# Altium PCB AATB-V2.PcbDoc (part 2 of 5)
Units mm, origin at the board's own origin, x right, y up, seen from the top; angles counter-clockwise.
Board outline 236 x 177 mm, 2 copper layers (Top Layer, Bottom Layer), stack 1.571 mm thick; 302 components, 313 nets, 1275 pads, 1266 vias.
Unrouted connection lines stored in the file: 1.
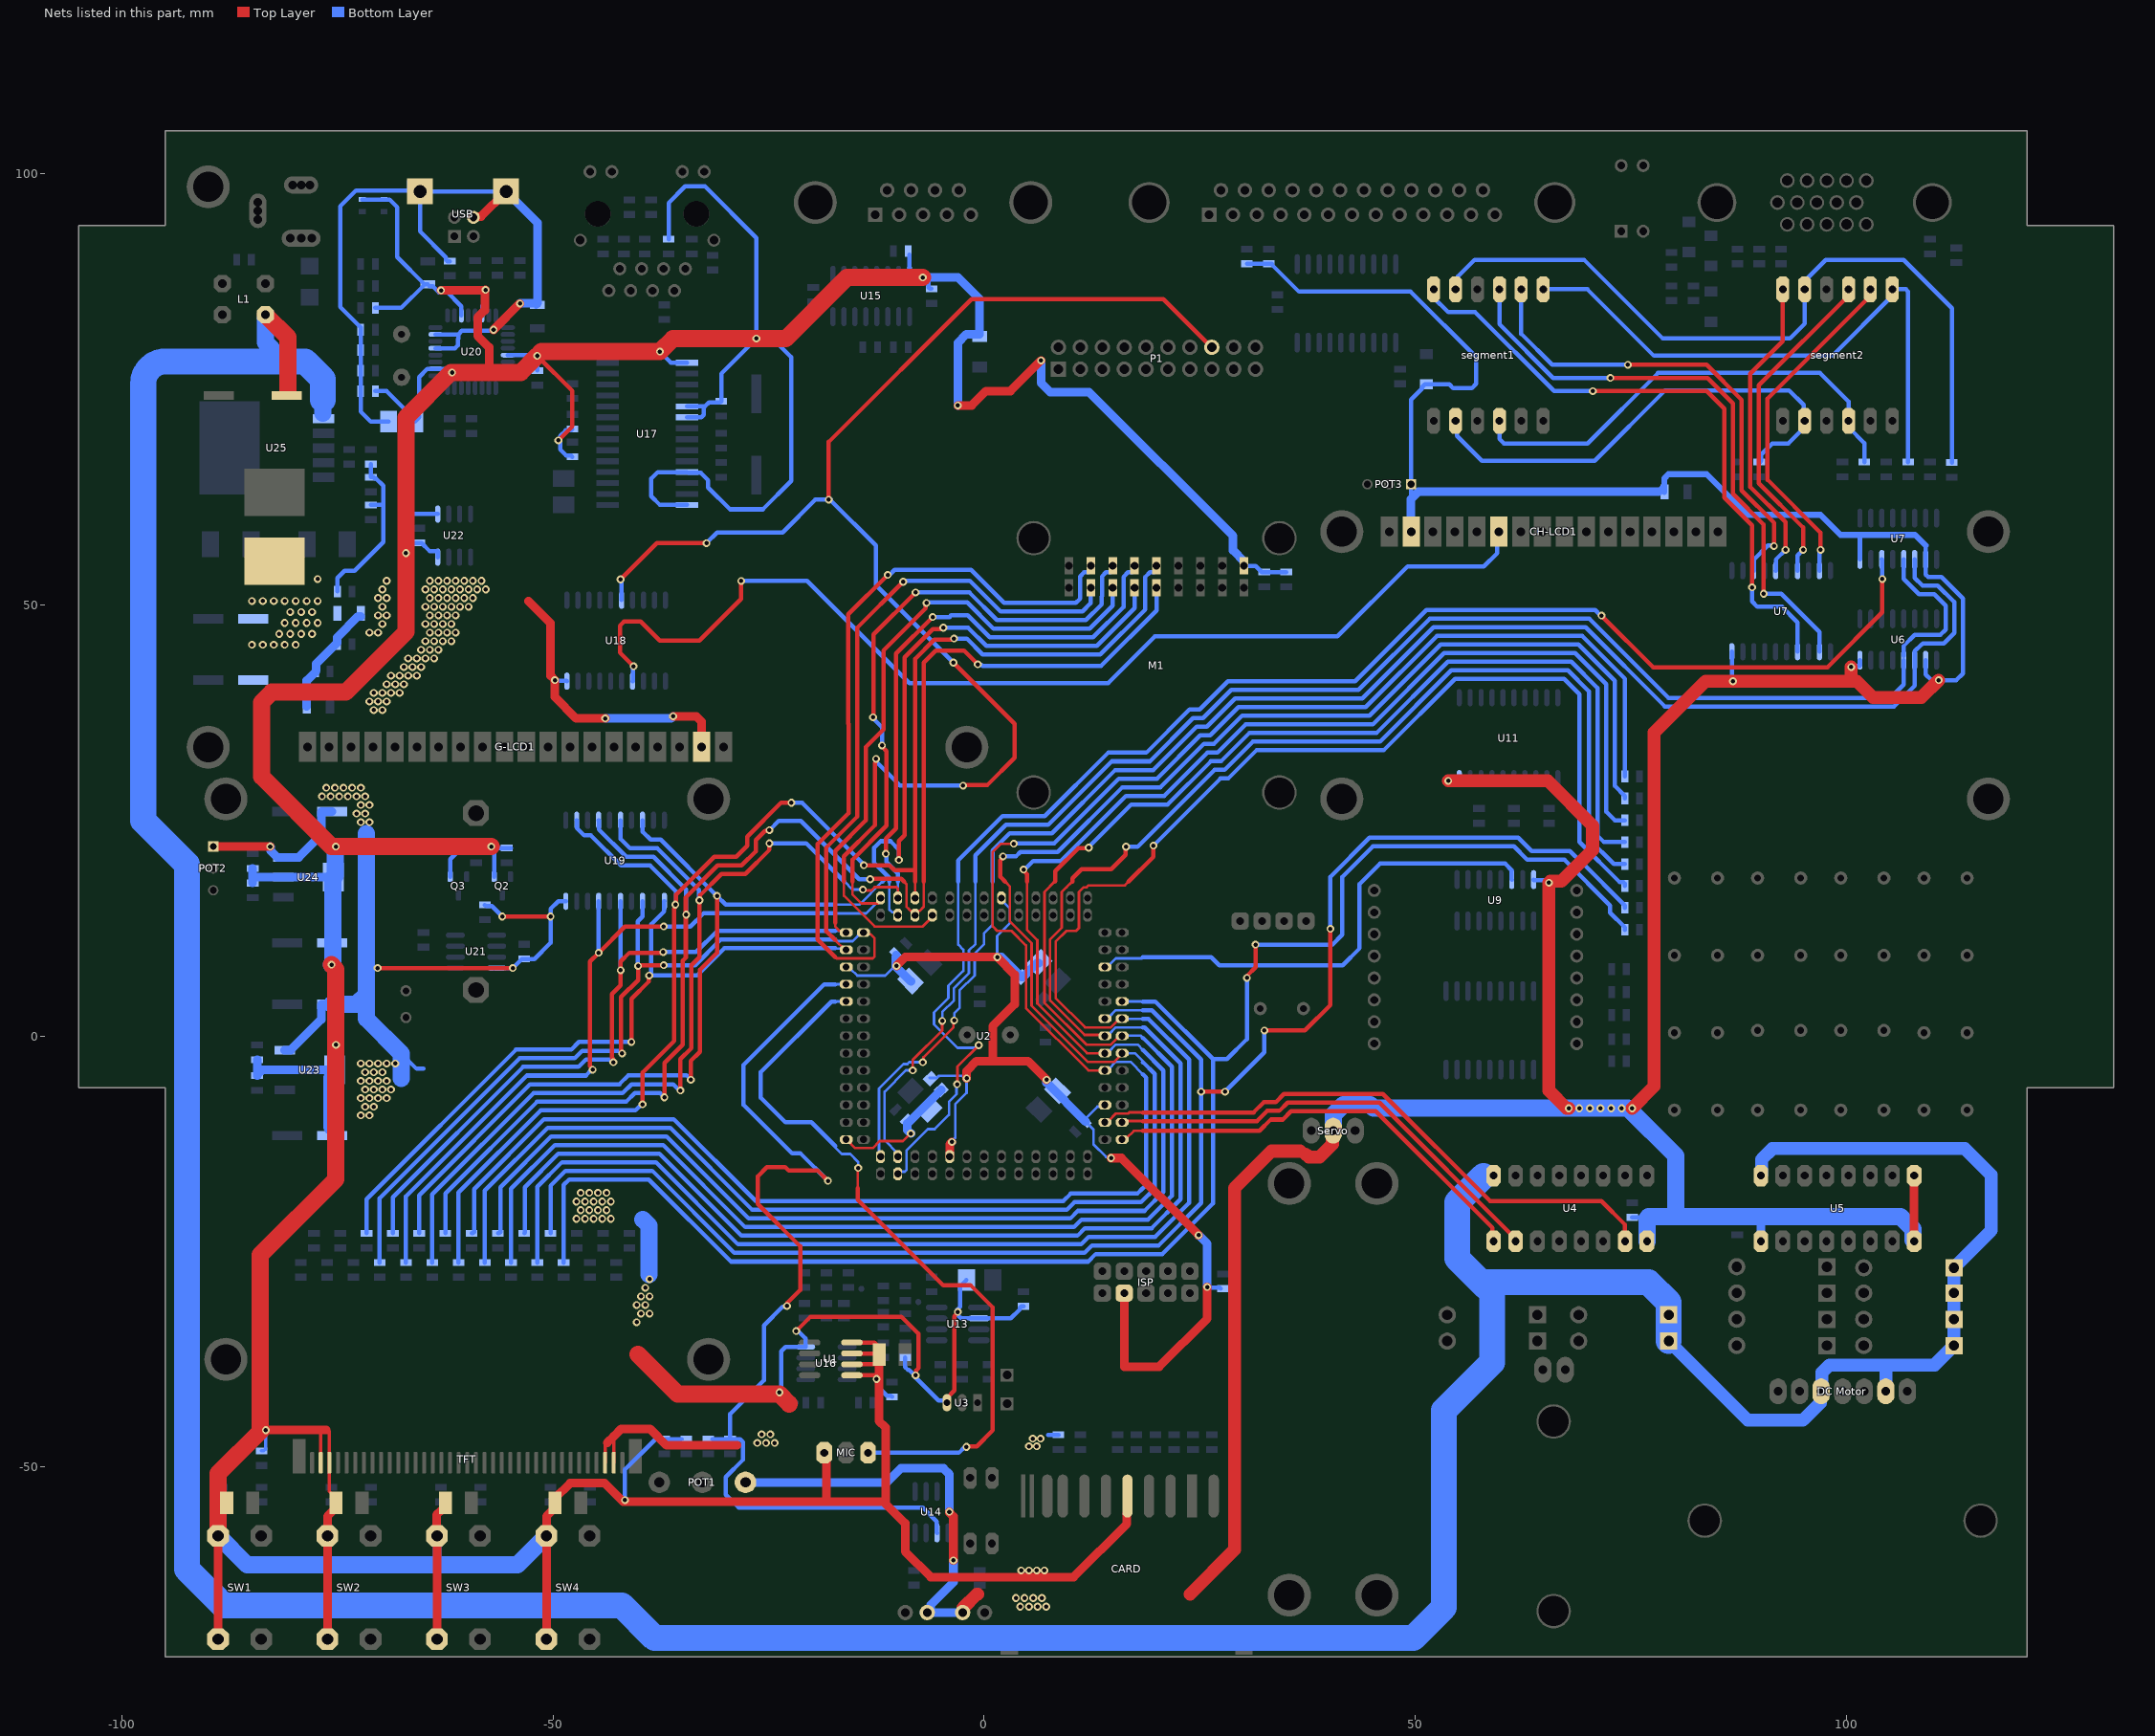
[diagram p2: the nets of this part, all layers, seen from the top]

## Part data
12V: "Low Voltage Power Supply Connector", ComponentLink1Description="Manufacturer Link", ComponentLink1URL=http://domino.kycon.com/internet/Products.html, DatasheetDocument=09-May-2002, Published=17-Dec-2003, Publisher="Altium Limited"
BT1: library part Battery, "Multicell Battery", LatestRevisionDate=17-Jul-2002, LatestRevisionNote="Re-released for DXP Platform.", PackageReference=BAT-2, Published=24-Mar-1999, Publisher="Altium Limited"
C1 C9 C10 C13 C14 C15 C17 C21 C28 C30 C31 C38 C39 C40 C41 C45 C46: library part "Cap Pol1", "Polarized Capacitor (Radial)", LatestRevisionDate=17-Jul-2002, LatestRevisionNote="Re-released for DXP Platform.", PackageReference=RB7.6-15, Published=8-Jun-2000, Publisher="Altium Limited"
  C1 C9 C31 C38 C39 C40 C41 C45 C46: PackageDescription="Polarized Capacitor (Radial); 2 Leads"
C2 C3 C4 C5 C7 C8 C11 C12 C16 C18 C19 C20 C22 C23 C24 C25 C26 C27 C29 C32 C33 C34 C35 C36 C37 C42 C43 C44 C47 C48 C49 C50 C51 CC1 CC4 CC5 CC8 CC9 CC10 CC11 CC12 CC13 CP1 CP2: library part Cap, "Capacitor", LatestRevisionDate=17-Jul-2002, LatestRevisionNote="Re-released for DXP Platform.", PackageReference=RAD-0.3, Published=8-Jun-2000, Publisher="Altium Limited"
  C2 C3 C5 C8 C12 C16 C18 C19 C20 C22 C29 C32 C33 C34 C35 C36 C37 C42 C43 C44 C47 C48 C49 C50 C51 CC1 CC4 CC5 CC8 CC9 CC10 CC11 CC12 CC13 CP1 CP2: PackageDescription="Radial Cap, Thru-Hole; 2 Leads; 0.3 in Pin Spacing"
C6 CC2 CC3 CC6 CC7: library part "Cap Pol2", "Polarized Capacitor (Axial)", LatestRevisionDate=17-Jul-2002, LatestRevisionNote="Re-released for DXP Platform.", PackageDescription="Polarized Capacitor; 2 Leads", PackageReference=POLAR0.8, Published=8-Jun-2000, Publisher="Altium Limited"
CARD: library part MMC
CH-LCD1: "Header, 16-Pin", LatestRevisionDate=17-Jul-2002, LatestRevisionNote="Re-released for DXP Platform.", Publisher="Altium Limited"
D1 D2 D3 D4 D5 D23 D24 IR-T: "Typical INFRARED GaAs LED", LatestRevisionDate=08-Jul-2005, LatestRevisionNote="Mech Layer 1 removed.", PackageReference=LED-0, Published=8-Jun-2000, Publisher="Altium Limited"
  D23 D24: PackageDescription="LED; 2 Leads"
D6 D7 D8 D9 D10 D11 D12 D13 D14 D15 D16 D17: "1 Amp General Purpose Rectifier", PackageDocument=Aug-1999, Code_JEDEC=DO-204-AL, ComponentLink1Description="Manufacturer Link", ComponentLink1URL=http://www.fairchildsemi.com/, ComponentLink2Description=Datasheet, ComponentLink2URL=http://www.fairchildsemi.com/ds/1N%2F1N4001.pdf, DatasheetDocument=1998, LatestRevisionDate=17-Jul-2002, LatestRevisionNote="Re-released for DXP Platform.", PackageReference=DO-41, Published=8-Jun-2000, Publisher="Altium Limited"
D18 D19 D20 D21: "High Conductance Fast Diode", Code_JEDEC=DO-204-AH, ComponentLink1Description="Manufacturer Link", ComponentLink1URL=http://www.fairchildsemi.com/, ComponentLink2Description=Datasheet, ComponentLink2URL=http://www.fairchildsemi.com/ds/1N%2F1N4148.pdf, DatasheetDocument=1997, LatestRevisionDate=17-Jul-2002, LatestRevisionNote="Re-released for DXP Platform.", PackageReference=DO-35, Published=8-Jun-2000, Publisher="Altium Limited"
D22: library part "D Zener", "Zener Diode", LatestRevisionDate=17-Jul-2002, LatestRevisionNote="Re-released for DXP Platform.", PackageDescription="Diode, Thru-Hole; 2 Leads; 0.7 in Pin Spacing", PackageReference=DIODE-0.7, Published=8-Jun-2000, Publisher="Altium Limited"
D25 D27: library part "D Schottky", "Schottky Diode", Code_JEDEC=DO-214-AA, LatestRevisionDate=17-Jul-2002, LatestRevisionNote="Re-released for DXP Platform.", PackageDescription="DO-214-AA/SMB; 2 C-Bend Leads; Body 5.3 x 3.6 mm, inc. leads (LxW)", PackageReference=SMB, Published=8-Jun-2000, Publisher="Altium Limited"
D26: "1 Amp General Purpose Rectifier", Code_JEDEC=DO-204-AL, ComponentLink1Description="Manufacturer Link", ComponentLink1URL=http://www.fairchildsemi.com/, ComponentLink2Description=Datasheet, ComponentLink2URL=http://www.fairchildsemi.com/ds/1N%2F1N4001.pdf, DatasheetVersion=1998, LatestRevisionDate=17-Jul-2002, LatestRevisionNote="Re-released for DXP Platform.", PackageDescription="Diode, Axial; Body 5.2 x 2.7 mm (LxDia. max), Lead Dia. 0.86 mm (max)", PackageReference=DO-41, PackageVersion=Aug-1999, Published=8-Jun-2000, Publisher="Altium Limited"
"DC Motor": "Motor Stepper", Code_JEDEC=MO-001-AM, LatestRevisionDate=17-Jul-2002, LatestRevisionNote="Re-released for DXP Platform.", PackageReference=DIP-6, Published=24-Mar-1999, Publisher="Altium Limited"
DIP1 S1: "DIP Switch, 2 Position, SPST", LatestRevisionDate=17-Jul-2002, LatestRevisionNote="Re-released for DXP Platform.", PackageReference=DIP-4, Published=24-Mar-1999, Publisher="Altium Limited"
"Dot Matrix": library part "8X8-DOT MATRIX LED"
F1: "Fuse", LatestRevisionDate=17-Jul-2002, LatestRevisionNote="Re-released for DXP Platform.", PackageDescription="Thru-Hole; 2 Leads", PackageReference=PIN-W2/E2.8, Published=8-Jun-2000, Publisher="Altium Limited"
G-LCD1: "Header, 20-Pin", LatestRevisionDate=17-Jul-2002, LatestRevisionNote="Re-released for DXP Platform.", Publisher="Altium Limited"
IR-R: library part LED0, "Typical INFRARED GaAs LED", LatestRevisionDate=08-Jul-2005, LatestRevisionNote="Mech Layer 1 removed.", PackageReference=LED-0, Published=8-Jun-2000, Publisher="Altium Limited"
ISP: "Header, 5-Pin, Dual row", LatestRevisionDate=17-Jul-2002, LatestRevisionNote="Re-released for DXP Platform.", Publisher="Altium Limited"
L1: library part "Trans Eq", "Transformer (Equivalent Circuit Model)", LatestRevisionDate=17-Jul-2002, LatestRevisionNote="Re-released for DXP Platform.", PackageDescription="Transformer; 4 Leads", PackageReference=TRF_4, Published=8-Jun-2000, Publisher="Altium Limited"
L2 L6: library part "Inductor Iron", "Magnetic-Core Inductor", LatestRevisionDate=17-Jul-2002, LatestRevisionNote="Re-released for DXP Platform.", PackageDescription="Axial Device, Thru-Hole; 2 Leads; 0.9 in Pin Spacing", PackageReference=AXIAL-0.9, Published=24-Mar-1999, Publisher="Altium Limited"
L3 L4 L5 L7: library part Inductor, "Inductor", Code_IEC=1005, Code_JEITA=0402, PackageReference=0402-A, Published=8-Jun-2000, Publisher="Altium Limited"
  L3 L5 L7: LatestRevisionDate=29-May-2009, LatestRevisionNote="IPC-7351 Footprint Added.", PackageDescription="Chip Inductor"
  L4: LatestRevisionDate=17-Jul-2002, LatestRevisionNote="Re-released for DXP Platform."
M1: library part CAM-OV7670, "OV7670 CAMERA Module"
MIC: library part MIC-MAX4466, "Electret Microphone Amplifier"
NETWORK: library part RJLD043TC1
P1: "Header, 10-Pin, Dual row", LatestRevisionDate=17-Jul-2002, LatestRevisionNote="Re-released for DXP Platform.", Publisher="Altium Limited"
POT1 POT2 POT3: "Potentiometer", LatestRevisionDate=17-Jul-2002, LatestRevisionNote="Re-released for DXP Platform.", PackageReference=VR5, Published=8-Jun-2000, Publisher="Altium Limited", Set Position=0.5, Sim Note="Enter the Resistance value and the set point into parameter fields."
Q2 Q3: "N-Channel MOSFET", LatestRevisionDate=17-Jul-2002, LatestRevisionNote="Re-released for DXP Platform.", PackageDescription="TO, Flat Index; 3 In-Line, Axial Leads; Body Dia. 4.6mm; Lead Dia. 0.5 mm (max)", PackageReference=E3, PackageVersion=1995/1996, Published=8-Jun-2000, Publisher="Altium Limited"
R1 R2 R3 R4 R5 R6 R7 R10 R11 R12 R13 R14 R15 R16 R17 R18 R19 R20 R21 R22 R23 R24 R25 R26 R27 R28 R29 R30 R31 R32 R33 R34 R35 R36 R36 R37 R38 R39 R40 R41 R42 R43 R44 R45 R46 R47 R48 R49 R50 R51 R52 R53 R54 R55 R56 R57 R58 R59 R60 R61 R62 R62 R63 R63 R64 R65 R66 R67 R68 R69 R70 R71 R72 R73 R74 R75 R76 R77 R78 R79 R80 R81 R82 R83 R84 R85 R86 R87 R88 R89 R90 R91 R92 R93 R94 R95 R96 R97 R98 R99 R100 R101 R102 R103 R104 R105 R106 R107 R108 R109 R110 R111 R112 R113 R114 R115: library part Res1, "Resistor", LatestRevisionDate=17-Jul-2002, LatestRevisionNote="Re-released for DXP Platform.", PackageReference=AXIAL-0.3, Published=8-Jun-2000, Publisher="Altium Limited"
  R45 R47 R48 R49 R50 R51 R53 R54 R55 R79 R83 R88 R90 R92 R100 R101 R102 R104 R107: PackageDescription="Axial Device, Thru-Hole; 2 Leads; 0.3 in Pin Spacing"
RESET S2 S3 S4 S5 S6 S7 S8 S9 S10 S11 S12 S13 S14 S15 S16 S17 SW1 SW2 SW3 SW4: "Switch", LatestRevisionDate=17-Jul-2002, LatestRevisionNote="Re-released for DXP Platform.", PackageReference=SPST-2, Published=24-Mar-1999, Publisher="Altium Limited"
RS232: "Receptacle Assembly, 9 Position, Right Angle", PackageDocument=O, DatasheetDocument=1-Sep-1999, Gender=Receptacle, LatestRevisionDate=17-Jul-2002, LatestRevisionNote="Re-released for DXP Platform.", Orientation="Right Angle", PackageReference=788750, Positions=9, Published=15-Jun-2001, Publisher="Altium Limited"
segment1 segment2: "14.2 mm General Purpose Blue 7-Segment Display: CA, RH DP, Gray Surface", Colour=Blue, Package Information="Latest Revision: 24-Sep-2002", Package Reference=H, Datasheet="Latest Revision: 24-Sep-2002", Min. Intensity="2020 ucd", Note="IF = 10 mA", Publisher="Altium Limited"
Servo: library part servo
SPEAKER: "Loudspeaker", LatestRevisionDate=17-Jul-2002, LatestRevisionNote="Re-released for DXP Platform.", PackageReference=PIN2, Published=24-Mar-1999, Publisher="Altium Limited"
Stepper: library part Motor, "Motor, General Kind", LatestRevisionDate=17-Jul-2002, LatestRevisionNote="Re-released for DXP Platform.", PackageReference=RB5-10.5, Published=24-Mar-1999, Publisher="Altium Limited"
STK200/300: "Receptacle Assembly, 25 Position, Right Angle", PackageDocument=U, DatasheetDocument=19-Mar-1999, Gender=Receptacle, LatestRevisionDate=17-Jul-2002, LatestRevisionNote="Re-released for DXP Platform.", Orientation="Right Angle", PackageReference=787202, Positions=25, Published=15-Jun-2001, Publisher="Altium Limited"
SWD: library part SWD-PORT, "SWD debug and programming port"
TFT: library part TFT-Z320IT002, "Size: 3.2 inches / Resolution: 240(H) X 320(V) RGB / Control Chip: ILI9341 / Display Color: Full-Color / Interface Type: 16bits Parallel interface"
TP1 TP2 TP3: library part Socket, LatestRevisionDate=17-Jul-2002, LatestRevisionNote="Re-released for DXP Platform.", Publisher="Altium Limited"
U1: library part CMP-0066-00058-2, "Digital Temperature Sensor and Thermal Watchdog with Two-Wire Interface, 8 pin SOIC NARROW", Manufacturer="National Semiconductor", PackageTopMarking=NSZXTT*LM75*CIM5, PowerWise=N, Code_IPC=SOIC127P600-8, Code_JEDEC=MS-012-AA, ComponentLink1Description="LM75C Datasheet", ComponentLink1URL=http://www.national.com/ds/LM/LM75C.pdf, ComponentLink2Description="LM75C Web Page", ComponentLink2URL=http://www.national.com/pf/LM/LM75C.html, ComponentLink3Description="M08A Package Page", ComponentLink3URL=http://www.national.com/packaging/folders/m08a.html, CompType="Temp Sensor IC", DatasheetVersion=Jul-2009, PackageDescription="SOIC Narrow, 4.9 x 3.9 x 1.45mm, 8 Lead, 1.27mm Pitch", PackageReference=M08A, PackageVersion="revM, May-2009", PinCount=8, RevisionNote="Component URLs added", RoHS=N
U2: library part "ATMEGA 2560"
U3: "Precision CentigradeTemperature Sensor", ComponentLink1Description="Manufacturer Link", ComponentLink1URL=http://www.national.com/, ComponentLink2Description=Datasheet, ComponentLink2URL=http://www.national.com/ds.cgi/LM/LM35.pdf, ComponentLink3Description="URL Link1", ComponentLink3URL=http://www.national.com/pf/LM/LM35.html, DatasheetVersion=Sep-1997, PackageDescription="TO, Flat Index; 3 In-Line, Axial Leads; Body Dia. 4.6mm; Leads 0.53 x 0.39 mm (max)", PackageReference=Z03A, PackageVersion=2000, Published=15-Apr-2002, Publisher="Altium Limited"
U4 U5: "Push-Pull Four Channel Drivers", ComponentLink1Description="Manufacturer Link", ComponentLink1URL=http://www.st.com/, ComponentLink2Description=Datasheet, ComponentLink2URL=http://www.st.com/stonline/products/literature/ds/1328/l293b.pdf, DatasheetVersion=Apr-1993, LatestRevisionDate=06-Jun-2005, LatestRevisionNote="Stylized 3D Model Added.", PackageDescription="DIP; 16 Leads; Row Spacing 7.62 mm; Pitch 2.54 mm", PackageReference=DIP16, PackageVersion=Apr-1996, Published=8-Jun-2000, Publisher="Altium Limited"
U6 U7: "8-Bit 3-State Shift Register with Output Storage Register", Code_IPC=SOIC127P600-16, Code_JEDEC=MS-012-AC, ComponentAvailability="Not for New Design", ComponentLink1Description="Manufacturer Link", ComponentLink1URL=http://www.onsemi.com/, ComponentLink2Description=Datasheet, ComponentLink2URL=http://www.onsemi.com/pub/Collateral/MC74VHC595-D.PDF, DatasheetVersion=1997, LatestRevisionDate=13-Apr-2006, LatestRevisionNote="IPC-7351 Footprint Added.", PackageDescription="16-Pin Small Outline Integrated Circuit 1.27 mm Pitch", PackageReference=751B-05, PackageVersion=Oct-1999, Published=15-Apr-2002, Publisher="Altium Limited"
U7 U11 U12 U18 U19: "Octal Buffer/Line Driver with Tri-State Output", Code_IPC=SOIC127P1030-20, Code_JEDEC=MS-013-AC, ComponentLink1Description="Manufacturer Link", ComponentLink1URL=http://www.national.com/, ComponentLink2Description=Datasheet, ComponentLink2URL=http://www.fairchildsemi.com/ds/74/74F244.pdf, ComponentLink3Description="URL Link1", ComponentLink3URL=http://www.fairchildsemi.com/pf/74/74F244.html, DatasheetVersion=May-1995, LatestRevisionDate=13-Apr-2006, LatestRevisionNote="IPC-7351 Footprint Added.", PackageDescription="20-Pin Small Outline Integrated Circuit 1.27 mm Pitch", PackageReference=M20B, PackageVersion=2000, Published=15-Apr-2002, Publisher="Altium Limited"
U9: "Decade Counter/Divider", Code_IPC=SOIC127P600-16, ComponentLink1Description="Manufacturer Link", ComponentLink1URL=http://www.st.com/, ComponentLink2Description=Datasheet, ComponentLink2URL=http://www.st.com/stonline/products/literature/ds/1960/m74hc4017.pdf, DatasheetVersion=Oct-1992, LatestRevisionDate=13-Apr-2006, LatestRevisionNote="IPC-7351 Footprint Added.", PackageDescription="16-Pin Small Outline Integrated Circuit 1.27 mm Pitch", PackageReference=SO16, PackageVersion=May-1998, Published=8-Jun-2000, Publisher="Altium Limited"
U10: "Eight Darlington Array", ComponentLink1Description="Manufacturer Link", ComponentLink1URL=http://www.st.com/, ComponentLink2Description=Datasheet, ComponentLink2URL=http://www.st.com/stonline/products/literature/ds/1536/uln2801a.pdf, DatasheetVersion=Sep-1997, LatestRevisionDate=06-Jun-2005, LatestRevisionNote="Stylized 3D Model Added.", PackageDescription="DIP; 18 Leads; Row Spacing 7.62 mm; Pitch 2.54 mm", PackageReference=DIP18, Published=8-Jun-2000, Publisher="Altium Limited"
U13: "8002  Class-AB audio power amplifier"
U14: "Low-Power Dual Operational Amplifier", Code_IPC=SOIC127P600-8, Code_JEDEC=MS-012-AA, ComponentLink1Description="Manufacturer Link", ComponentLink1URL=http://www.national.com/, ComponentLink2Description=Datasheet, ComponentLink2URL=http://www.national.com/ds.cgi/LM/LM158.pdf, ComponentLink3Description="URL Link1", ComponentLink3URL=http://www.national.com/pf/LM/LM358.html, DatasheetVersion=Sep-1999, LatestRevisionDate=13-Apr-2006, LatestRevisionNote="IPC-7351 Footprint Added.", PackageDescription="8-Pin Small Outline Integrated Circuit 1.27 mm Pitch", PackageReference=M08A, PackageVersion=Sep-1997, Published=15-Apr-2002, Publisher="Altium Limited"
U15: library part MAX232ACSE, "+5V Powered, Multi-Channel RS-232 Driver/Receiver", Code_IPC=SOIC127P600-16, Code_JEDEC=MS-012-AC, ComponentLink1Description="Manufacturer Link", ComponentLink1URL=http://www.maxim-ic.com/, ComponentLink2Description=Datasheet, ComponentLink2URL=http://pdfserv.maxim-ic.com/en/ds/MAX220-MAX249.pdf, LatestRevisionDate=13-Apr-2006, LatestRevisionNote="IPC-7351 Footprint Added.", PackageDescription="16-Pin Small Outline Integrated Circuit 1.27 mm Pitch", PackageReference=NSO16, Published=16-Jan-2001, Publisher="Altium Limited"
U16: library part LM358D, "Dual Low-Power Operational Amplifier", Code_IPC=SOIC127P600-8, Code_JEDEC=MS-012-AA, ComponentLink1Description="Manufacturer Link", ComponentLink1URL=http://www.st.com/, ComponentLink2Description=Datasheet, ComponentLink2URL=http://www.st.com/stonline/products/literature/ds/2163/lm358.pdf, LatestRevisionDate=13-Apr-2006, LatestRevisionNote="IPC-7351 Footprint Added.", PackageDescription="8-Pin Small Outline Integrated Circuit 1.27 mm Pitch", PackageReference=SO8, PackageVersion=Dec-2002, Published=24-Aug-2001, Publisher="Altium Limited"
U17: library part ENC29J60
U20: "USB UART Asynchronous Serial Data Transfer Chip, LQFP-32, Pb-Free", ComponentLink1Description="Manufacturer Link", ComponentLink1URL=http://www.ftdichip.com/Products/ICs/FT232B.htm, ComponentLink2Description=Datasheet, ComponentLink2URL=http://www.ftdichip.com/Support/Documents/DataSheets/ICs/DS_FT232BL.pdf, DatasheetVersion="ver 1.8, Dec-2005", LatestRevisionDate=13-Apr-2006, LatestRevisionNote="IPC-7351 Footprint Added.", PackageDescription="32-Pin Thin Quad Flat Pack 0.8 mm Pitch", PackageReference=LQFP-32, PackageVersion=2004, Published=6-Oct-2005, Publisher="Altium Limited"
U21: "64 X 8 Serial Real-Time Clock", Code_IPC=SOIC127P600-8, ComponentLink1Description="Manufacturer Link", ComponentLink1URL=http://www.maxim-ic.com/, ComponentLink2Description=Datasheet, ComponentLink2URL=http://pdfserv.maxim-ic.com/en/ds/DS1307.pdf, ComponentLink3Description="Discontinuation Notice", ComponentLink3URL=http://www.maxim-ic.com/qa/pdfs/non-obsolescence-letter.pdf, DatasheetVersion=10-Aug-1999, LatestRevisionDate=13-Apr-2006, LatestRevisionNote="IPC-7351 Footprint Added.", PackageDescription="8-Pin Small Outline Integrated Circuit 1.27 mm Pitch", PackageReference=SOIC8N, PackageVersion=1999, Published=13-Oct-2000, Publisher="Altium Limited"
U22: "2Kbit Serial I²C Bus EEPROM", ComponentLink1Description="Manufacturer Link", ComponentLink1URL=http://www.st.com/, ComponentLink2Description=Datasheet, ComponentLink2URL=http://www.st.com/stonline/products/literature/ds/5067/m24c01-r.pdf, DatasheetVersion=Sep-1999, LatestRevisionDate=13-Apr-2006, LatestRevisionNote="IPC-7351 Footprint Added.", PackageDescription="8-Pin Small Outline Integrated Circuit 1.27 mm Pitch", PackageReference=SOP8, PackageVersion=Jul-1999, Published=24-Aug-2001, Publisher="Altium Limited"
U23 U24: "800mA Low-Dropout Linear Regulator, 4-pin SOT-223", Manufacturer="National Semiconductor", PackageTopMarking=XYTT*N05A, PowerWise=N, Supplier Part Number 1=9778195, Code_IPC=SOT223-4, Code_JEDEC=TO-261-AA, ComponentLink1Description="LM1117 Datasheet", ComponentLink1URL=http://www.national.com/ds/LM/LM1117.pdf, ComponentLink2Description="LM1117 Web Page", ComponentLink2URL=http://www.national.com/pf/LM/LM1117.html, ComponentLink3Description="MP04A Package Page", ComponentLink3URL=http://www.national.com/packaging/folders/mp04a.html, CompType="LDO IC", DatasheetVersion=Apr-2006, PackageDescription="Molded SOT-223, 6.50 x 3.56 x 1.6mm Body, 4 Lead, 2.3mm Pitch", PackageReference=MP04A, PackageVersion="revB, Apr-2003", PartNumber=LM1117MP-3.3, PinCount=4, Published=4-Dec-2008, Publisher="Altium Limited", RoHS=N, Supplier 1=Farnell, Supplier 2=Farnell, Supplier Part Number 2=9778195RL
U25: library part LM2596-5v
VGA: "Receptacle Assembly, 15 Position, Right Angle", PackageDocument=O, DatasheetDocument=1-Sep-99, Gender=Receptacle, LatestRevisionDate=17-Jul-2002, LatestRevisionNote="Re-released for DXP Platform.", Orientation="Right Angle", PackageReference=788757, Positions=15, Published=15-Jun-2001, Publisher="Altium Limited"
X1 X2 X3: library part XTAL, "Crystal Oscillator", LatestRevisionDate=17-Jul-2002, LatestRevisionNote="Re-released for DXP Platform.", PackageReference=R38, Published=8-Jun-2000, Publisher="Altium Limited"
  X2: PackageDescription="Crystal, Thru-Hole; 2 Leads; Body 3.1 x 8.2 mm (Dia.xH)"
X4: "Crystal Oscillator", LatestRevisionDate=17-Jul-2002, LatestRevisionNote="Re-released for DXP Platform.", PackageReference=R38, Published=8-Jun-2000, Publisher="Altium Limited"
USB: Bottom=60, Right=60

## Free pads (board coordinates)
  round 5 hole 3.5 unplated: C(-87.952,-37.5) ""(-90,33.5) ""(-90,98.5) ""(-87.952,27.503) ""(-31.952,-37.503) ""(-31.952,27.5) ""(-2,33.5) ""(35.403,-64.856) ""(35.403,-17.104) ""(41.5,27.5) ""(41.5,58.5) ""(45.563,-64.856) ""(45.563,-17.104) ""(116.5,27.5) ""(116.5,58.5)
  round 4 hole 3.5 unplated: ""(66.068,-66.712) ""(66.068,-44.712) ""(83.596,-56.22) ""(115.596,-56.22)

## Via types
v1: diameter 0.9, hole 0.5, Top Layer to Bottom Layer, tented both sides, 1265 vias
v2: diameter 0.9, hole 0.5, Top Layer to Bottom Layer, 1 vias

## Nets (pads, with @x,y where several pads share a name; then routed paths per layer and width w, separated by ;. In a path a pad name is that pad's centre, name@x,y a point inside that pad or via, vN(x,y) a via of type N, cw(c..) or ccw(c..) an arc to the next point about the centre after c; other vN are vias at no path point)
7SEG-LCH: U2.4 U6.12 U7.12@106.676,55.28 | length 184.7
  Top Layer w0.3: v1(-8.277,-3.982) -8.277,-2.768 -4.87,0.639 -4.87,1.721 v1(-4.849,1.742)
  Bottom Layer w0.3: U2.4@-10,-14 -10,-13.622 -11.542,-12.08 -11.542,-6.462 -9.062,-3.982 v1(-8.277,-3.982) ; v1(-4.849,1.742) -4.849,2.771 -3.496,4.124 -3.496,5.551 -1.752,7.295 -1.752,9.932 -1,10.684 -1,17.916
  Bottom Layer w0.5: -1,17.916 -1,20.954 2.546,24.5 7.444,24.5 14.804,31.86 19.234,31.86 24.241,36.867 25.413,36.867 28.686,40.14 43.446,40.14 51.718,48.412 70.199,48.412 79.375,39.236 105.136,39.236 106.676,40.776 U6.12@106.676,43.596 ; U6.12@106.676,44.104 106.695,44.123 106.695,45.282 107.959,46.546 110.921,46.546 111.536,47.161 111.536,49.925 110.215,51.246 110.112,51.246 108.449,51.246 106.676,53.019 U7.12@106.676,55.28
7SEG-SDI: U2.3 U7.14@104.136,55.28 | length 177.5
  Top Layer w0.3: v1(-3.137,-5.6) -3.085,-5.548 -3.085,-3.534 v1(-0.614,-1.064)
  Top Layer w0.5: v1(71.628,48.768) 77.612,42.784 97.833,42.784 104.187,49.138 v1(104.187,53.016)
  Bottom Layer w0.3: U2.3@-10,-16 -9.748,-15.748 -9.197,-15.748 -9,-15.551 -9,-13.293 -6.518,-10.81 -5.73,-10.81 -4.064,-9.144 -4.064,-7.62 -3.2,-6.756 -3.2,-5.662 v1(-3.137,-5.6) ; -3,17.916 -3,10.62 -2.402,10.022 -2.402,7.564 -4.146,5.82 -4.146,4.393 -5.799,2.74 -5.799,1.348 -4.952,0.502 -3.086,-1.364 -1.077,-1.364 -0.777,-1.064 v1(-0.614,-1.064)
  Bottom Layer w0.5: -3,17.916 -3,20.368 2.132,25.5 7.03,25.5 14.39,32.86 18.819,32.86 23.826,37.867 24.999,37.867 28.272,41.14 43.032,41.14 51.304,49.412 70.876,49.412 71.52,48.768 v1(71.628,48.768) ; U7.14@104.136,55.28 104.155,55.261 104.155,53.048 v1(104.187,53.016)
7SEG-SHF: U2.2 U6.11 U7.11@107.946,55.28 | length 185.7
  Top Layer w0.3: v1(-7.112,-3.048) -7.03,-2.966 -7.03,-2.458 -3.551,1.021 -3.551,1.706 v1(-3.464,1.793)
  Bottom Layer w0.3: U2.2@-12,-14 -12.188,-13.812 -12.188,-13.228 -12.192,-13.224 -12.192,-6.088 -9.358,-3.254 -8.892,-3.254 -8.671,-3.032 -7.128,-3.032 v1(-7.112,-3.048) ; v1(-3.464,1.793) -3.464,2.632 -2.846,3.25 -2.846,5.282 -1.102,7.026 -1.102,9.566 -0.003,10.665 -0.003,11.922 1,12.925 1,17.916
  Bottom Layer w0.5: 1,17.916 1,21.54 2.96,23.5 7.858,23.5 15.218,30.86 19.648,30.86 24.655,35.867 25.828,35.867 29.101,39.14 43.86,39.14 52.132,47.412 69.785,47.412 78.961,38.236 105.55,38.236 107.946,40.632 U6.11@107.946,43.596 107.965,43.615 107.965,44.63 108.781,45.446 108.806,45.446 108.906,45.546 111.335,45.546 112.536,46.747 112.536,50.339 110.629,52.246 110.526,52.246 108.863,52.246 107.965,53.144 107.965,55.261 U7.11@107.946,55.28
+3V3: C13.2 C15.1 C31.1 C32.1 C38.1 C40.1 C47.2 C48.2 C49.2 C50.2 CARD.4 CC1.1 CC2.1 CC3.1 CC4.1 CC5.1 CC6.1 CC7.1 CC8.1 CC9.1 CC10.1 CC11.1 CC12.1 CC13.1 CP1.1 CP2.1 D1.1 D2.1 D3.1 D4.1 D5.1 D22.2 D23.1 D24.1 F1.1 ISP.3 L3.2 L4.2 L6.2 M1.18 MIC.1 Q2.2 Q3.2 R56.2 R70.2 R71.2 R81.2 R87.2 R100.1 SW1.2 SW2.2 SW3.2 SW4.2 TFT.2 TFT.3 U1.5 U1.6 U1.7 U1.8 U2.10 U2.31 U2.61 U2.80 U15.16 U17.15 U17.19 U17.20 U17.25 U17.28 U20.3 U20.6 U20.13 U20.26 U22.1 U22.8 U23.2 U23.4 U24.2 U24.4 | length 959.2
  Top Layer w0.4: -77.084,-45.72 -76.952,-45.852 TFT.2@-76.952,-49.5 ; -76.204,-45.584 -75.952,-45.836 TFT.3@-75.952,-49.5 -75.952,-52.829 -75.156,-53.625 D2.1@-75.156,-54.175
  Top Layer w0.5: v1@-51.834,78.89 -47.752,74.808 -47.752,70.717 v1(-49.381,69.088) ; v1@-41.855,-54.025 -41.663,-53.833 v1(-41.657,-53.833) ; U1.5@-15.334,-39.361 -12.192,-39.361 ; U1.6@-15.334,-38.091 -12.192,-38.091 D5.1@-11.898,-38.091 ; U1.7@-15.334,-36.821 D5.1@-12.148,-36.821 ; U1.8@-15.334,-35.551 -12.709,-35.551 D5.1@-12.192,-36.068
  Top Layer w1: SW1.2@-88.856,-69.97 SW1.2@-88.856,-57.97 ; -83.952,-45.72 -83.82,-45.72 v1(-83.312,-45.72) -77.084,-45.72 -76.34,-45.72 ; SW2.2@-76.156,-69.97 SW2.2@-76.156,-57.97 -76.156,-55.725 -75.156,-54.725 D2.1@-75.156,-54.175 ; SW3.2@-63.456,-69.97 SW3.2@-63.456,-57.97 -63.504,-57.922 -63.504,-55.561 -62.918,-54.975 -62.706,-54.975 -62.456,-54.725 D3.1@-62.456,-54.175 ; v1(-62.996,86.496) -62.983,86.509 v1@-57.916,86.509 ; v1(-57.838,86.55) -57.88,86.509 v1@-57.916,86.509 ; -57.798,76.962 -57.408,77.352 -57.408,79.892 -58.743,81.227 -58.743,83.362 -57.916,84.189 v1@-57.916,86.509 ; v1(-51.848,78.904) v1@-51.82,78.904 ; SW4.2@-50.756,-69.97 SW4.2@-50.756,-57.97 -50.756,-55.725 -49.756,-54.725 D4.1@-49.756,-54.175 -49.756,-53.625 -48.006,-51.875 -44.005,-51.875 -41.855,-54.025 -18.297,-54.025 ; MIC.1@-18.54,-48.352 -18.297,-48.595 -18.297,-54.025 ; D5.1@-12.148,-36.948 -12.192,-36.992 -12.192,-38.091 -12.192,-39.361 -12.192,-44.652 -11.43,-45.414 -11.43,-54.248 ; v1(-10.16,8.128) -9.144,9.144 v1(1.524,9.144) 3.556,7.112 3.556,3.696 1.012,1.152 1.012,-2.912 ; U2.10@-4,-14 -4,-12.556 v1(-3.73,-12.286) ; v1(-3.048,73.152) -1.428,73.152 0.232,74.812 3.044,74.812 v1(6.6,78.368) ; v1(-2.032,-4.914) -2.032,-4.064 -0.88,-2.912 1.012,-2.912 ; v1(7.255,-5.077) 5.09,-2.912 1.012,-2.912 ; v1(14.728,-14.158) 15.936,-14.158 v1(24.892,-23.114) ; ISP.3@16.252,-29.836 16.252,-38.358 20.316,-38.358 25.887,-32.787 v1@25.887,-29.113 ; CARD.4@16.632,-53.364 16.594,-53.402 16.594,-55.444 16.567,-55.471 16.567,-56.585 10.386,-62.766 -6.19,-62.766 -9.144,-59.812 -9.144,-56.534 -11.653,-54.025 -18.297,-54.025
  Top Layer w2: SW1.2@-88.856,-57.97 -88.856,-50.756 -83.82,-45.72 ; -83.952,-45.72 -83.952,-25.392 -75.184,-16.624 -75.184,7.752 v1(-75.696,8.264) ; v1(-57.173,21.98) v1(-75.188,21.98) -75.696,21.98 -83.824,30.108 -83.824,38.706 -82.652,39.878 -74.054,39.878 -67.06,46.872 v1(-67.06,56.016) -67.06,71.764 -61.862,76.962 v1(-61.722,76.962) -57.798,76.962 -53.762,76.962 -51.834,78.89 -51.82,78.904 -51.34,79.384 v1(-37.596,79.384) -36.072,80.908 v1(-26.42,80.908) -22.978,80.908 -15.903,87.983 v1(-7.116,87.983)
  Bottom Layer w0.3: U2.80@-15.496,8.136 -15.496,7.789 -14.707,7 -11.46,7 -10.572,7.888 ; v1(-10.16,8.128) -8.49,6.458 CC6.1@-8.49,6.335 ; L3.2@-6.309,-4.824 -6.268,-4.865 -5.472,-4.865 -5.221,-4.614 -2.538,-4.614 -2.471,-4.681 ; v1(-3.73,-12.286) -3.73,-12.19 -3.35,-11.81 -3.35,-7.922 -2.032,-6.604 v1(-2.032,-4.914) ; v1(1.524,9.144) 1.52,9.148 1.52,11.606 2.449,12.535 3,13.086 3,14.78 2,15.78 U2.61@2,16 ; U2.31@14,-8 13.814,-8.186 13.15,-8.186 11.766,-9.57 11.766,-9.924 CC4.1@11.773,-9.931 12.696,-10.854 12.696,-12.564 14.175,-14.043 14.613,-14.043 v1(14.728,-14.158)
  Bottom Layer w0.4: CC13.1@-83.824,-48.124 -83.549,-48.124 -83.349,-47.924 -83.349,-45.757 v1(-83.312,-45.72)
  Bottom Layer w0.5: D24.1@-72.14,97.04 D23.1@-69.6,97.04 -68.968,97.04 -68.076,96.148 -68.076,90.359 L6.2@-64.895,87.178 ; C32.1@-70.616,74.812 -69.324,74.812 -66.043,71.531 C31.1@-66.043,71.256 -65.536,71.763 -65.536,76.442 -64.604,77.374 -62.243,77.374 -61.83,76.962 v1(-61.722,76.962) ; R100.1@-70.616,84.464 -67.609,84.464 L6.2@-64.895,87.178 ; v1(-67.06,56.016) -67.06,57.54 ; L6.2@-64.52,87.178 L6.2@-64.895,87.178 ; L6.2@-64.346,87.004 -64.295,86.953 -63.92,86.953 -63.23,86.262 v1@-62.92,86.262 ; U22.8@-63.377,55.548 -63.377,56.221 -63.423,56.267 -64.33,56.267 -65.261,57.198 CC12.1@-65.536,57.198 -66.718,57.198 -67.06,57.54 ; U22.1@-63.377,60.548 -66.767,60.548 -67.06,60.255 -67.06,57.54 ; v1@-62.849,86.349 -62.341,86.349 -60.64,84.648 U20.3@-60.64,83.584 ; Q3.2@-61.914,18.483 -61.914,20.522 -60.622,21.814 R87.2@-58.932,21.814 -58.849,21.897 -57.256,21.897 v1(-57.173,21.98) ; U20.6@-58.24,83.584 -58.23,83.594 -58.23,84.707 -57.838,85.099 v1(-57.838,86.55) ; v1@-57.173,21.814 v1@-56.9,21.814 ; Q2.2@-56.834,18.483 -56.834,21.748 v1@-56.9,21.814 ; U20.13@-55.24,78.984 -52.436,78.984 -52.356,78.904 ; R81.2@-54.868,21.814 R81.2@-55.376,21.814 v1@-56.9,21.814 ; CC11.1@-51.834,77.2 v1@-51.834,78.89 ; R70.2@-47.756,67.192 -47.906,67.342 -48.475,67.342 -49.181,68.048 -49.181,69.603 -48.528,70.256 -47.906,70.256 R71.2@-47.756,70.406 ; v1(-41.657,-53.833) v1(-41.657,-53.833) -41.656,-50.292 -38.13,-46.766 CC5.1@-37.084,-46.766 CC10.1@-35.052,-46.766 ; v1(-37.596,79.384) -36.326,78.114 U17.15@-34.442,78.114 ; L4.2@-36.58,92.426 -36.58,96.656 -34.684,98.552 -32.38,98.552 -26.404,92.576 v1@-26.404,80.924 ; U17.28@-34.442,61.604 -37.596,61.604 -38.612,62.62 -38.612,64.652 -37.85,65.414 U17.25@-34.442,65.414 -34.342,65.314 -32.843,65.314 -32.008,64.479 -32.008,63.636 -29.468,61.096 -25.662,61.096 -22.356,64.402 -22.356,78.744 -24.52,80.908 v1(-26.42,80.908) -30.484,76.844 CC9.1@-30.484,73.63 -30.616,73.498 -31.909,73.498 -32.373,73.034 ; U17.20@-34.442,71.764 -32.809,71.764 -32.516,72.057 -32.516,72.891 -32.373,73.034 ; U17.19@-34.442,73.034 -32.373,73.034 ; v1(-12.482,-39.783) -12.482,-39.892 -12.335,-40.039 -12.335,-40.658 -11.281,-41.712 -10.822,-41.712 CC8.1@-10.672,-41.862 ; C15.1@-8.64,90.617 U15.16@-8.64,88.248 -8.64,88.029 -8.594,87.983 v1(-7.116,87.983) -7.039,87.906 -6.834,87.906 -6.418,87.49 -6.418,86.822 -6.268,86.672 C13.2@-6.1,86.672 ; 7.45,-46.258 CP1.1@8.632,-46.258 ; v1@25.912,-29.092 26.009,-29.189 27.323,-29.189 R56.2@27.432,-29.298 ; M1.18@30.16,54.54 31.511,54.54 32.233,53.818 CC1.1@32.508,53.818 CC3.1@35.048,53.818
  Bottom Layer w1: C49.2@-84.84,17.75 -84.84,18.424 ; C50.2@-84.84,19.44 -84.84,18.424 ; C47.2@-84.332,-4.602 C47.2@-84.332,-4.514 ; C48.2@-84.332,-2.746 C47.2@-84.332,-4.514 ; SW2.2@-76.156,-57.97 -76.156,-60.872 -75.696,-61.332 ; U24.4@-75.484,18.424 U24.2@-81.284,18.424 -84.84,18.424 ; U23.4@-75.336,-3.928 U23.2@-81.136,-3.928 -83.746,-3.928 C47.2@-84.332,-4.514 ; -63.504,-61.332 -63.456,-61.284 SW3.2@-63.456,-57.97 ; v1(-51.848,78.904) v1@-51.834,78.89 ; CP2.1@-10.2,9.365 -10.2,9.223 -10.253,9.17 -10.253,8.098 CC6.1@-8.49,6.335 ; v1(-7.116,87.983) -3.015,87.983 -0.512,85.48 -0.512,81.416 -2.036,81.416 -3.052,80.4 -3.052,73.156 v1(-3.048,73.152) ; v1(1.524,9.144) 2.032,9.144 D22.2@4.351,6.825 4.492,6.825 6.139,8.472 CC2.1@6.319,8.472 ; v1@6.6,78.295 6.6,75.77 7.694,74.676 12.192,74.676 28.87,57.998 28.87,56.33 30.16,55.04 M1.18@30.16,54.54 ; v1(7.255,-5.077) 7.255,-5.413 CC4.1@11.773,-9.931 ; v1(24.892,-23.114) 25.887,-24.109 v1@25.887,-28.977
  Bottom Layer w2: SW1.2@-88.856,-57.97 -85.494,-61.332 -75.696,-61.332 -63.504,-61.332 -54.118,-61.332 SW4.2@-50.756,-57.97 ; v1(-75.696,8.264) -75.56,8.4 -75.56,18.348 U24.4@-75.484,18.424 -75.284,18.624 -75.284,21.884 v1(-75.188,21.98) ; -75.636,-10.532 -75.636,-4.884 -75.536,-4.784 -75.536,-4.432 -75.184,-4.08 v1(-75.184,-1.016)
  other v1: 4.3,-62 5.2,-62 6.1,-62 7,-62 5.2,-47.6 6.1,-47.6 5.65,-46.7 6.55,-46.7 25.891,-29.113
+5AV: C36.2 C37.2 C44.2 C45.1 C46.1 L2.2 L7.1 R104.2 | length 21.5
  Top Layer w0.5: L2.2@-82.3,55.064 L2.2@-81.22,53.984
  Bottom Layer w0.5: C44.2@-75.018,51.562 -75.018,53.134 -74.168,53.984 -73.016,53.984 -69.699,57.301 -69.699,61.604 ; C36.2@-71.124,61.604 -69.699,61.604 ; C37.2@-71.124,66.342 R104.2@-71.124,64.828 -70.849,64.828 -70.699,64.678 -70.538,64.678 -69.699,63.839 -69.699,61.604
  other v1: -84.935,45.38 -83.665,45.38 -82.395,45.38 -81.125,45.38 -79.855,45.38 -81.76,46.65 -80.49,46.65 -79.22,46.65 -77.95,46.65 -81.125,47.92 -79.855,47.92 -78.585,47.92 -77.315,47.92 -80.49,49.19 -79.22,49.19 -77.95,49.19 -84.935,50.46 -83.665,50.46 -82.395,50.46 -81.125,50.46 -79.855,50.46 -78.585,50.46 -77.315,50.46 -77.315,53
+5V: C2.2 C3.2 C8.1 C9.1 C39.1 C41.1 C42.2 C43.2 CH-LCD1.2 D21.1 G-LCD1.2 IR-R.1 IR-T.2 L7.2 POT1.2 POT2.1 POT3.1 R16.2 R47.2 R62.1@30.48,89.574 R63.1@33.02,89.574 R78.2 R85.2 R110.2 Servo.2 TFT.35 TFT.36 U3.3 U4.16 U5.1 U5.9 U5.16 U6.10 U6.16 U7.10@109.216,55.28 U7.16@101.596,55.28 U7.20 U9.16 U11.20 U13.6 U14.8 U16.8 U18.20 U19.20 U21.8 U23.3 U24.3 | length 792
  Top Layer w0.4: TFT.35@-43.952,-49.5 -43.952,-47.368 -43.73,-47.146 ; TFT.36@-42.952,-49.5 -42.952,-46.424
  Top Layer w0.5: v1(-70.349,7.883) v2(-54.674,7.883) ; v1(-55.884,13.852) v1(-50.296,13.852) ; v1(-21.788,-34.218) -20.121,-32.551 -9.613,-32.551 -7.624,-34.54 -7.624,-38.535 -7.867,-38.778 -7.867,-39.289 v1(-7.944,-39.365) ; U3.3@-4.314,-42.536 -4.314,-42 -3.448,-41.134 -3.448,-32.497 -3.048,-32.097 v1(-3.048,-32.004)
  Top Layer w1: POT2.1@-89.412,21.98 v1(-82.808,21.98) ; -52.836,50.428 -50.296,47.888 -50.296,41.792 v1(-49.788,41.284) -49.788,39.33 -47.308,36.85 v1(-43.944,36.85) ; -43.702,-47.174 -42.952,-46.424 -42.112,-45.584 -38.744,-45.584 -36.83,-47.498 -28.64,-47.498 ; v1(-36.068,37.084) -33.396,37.084 -32.78,36.468 G-LCD1.2@-32.78,33.54 ; v1(-4.031,-55.199) -4.031,-55.272 -3.56,-55.744 v1(-3.56,-60.824) ; U5.16@107.89,-23.81 U5.1@107.89,-16.19
  Top Layer w1.5: IR-T.2@-2.486,-66.8 -2.433,-66.747 -2.433,-66.337 -0.832,-64.736 -0.728,-64.736 ; 23.91,-64.736 29.044,-59.602 29.044,-17.652 33.342,-13.354 36.652,-13.354 ; 37.296,-13.694 37.664,-14.062 38.907,-14.062 40.404,-12.565 40.404,-11.076 Servo.2@40.5,-10.98 ; v1(53.844,29.6) 65.396,29.6 70.584,24.412 70.584,21.574 66.95,17.94 65.692,17.94 v1(65.532,17.78) 65.532,-6.35 67.564,-8.382 v1(67.818,-8.382) ; v1(75.184,-8.382) 77.724,-5.842 77.724,35.192 83.68,41.148 v1(86.868,41.148) 101.224,41.148 ; 100.58,41.298 v1(100.58,42.808) ; 101.33,41.042 103.12,39.252 108.708,39.252 v1(110.74,41.284)
  Top Layer w2: -40.136,-36.948 -35.528,-41.556 -23.722,-41.556 -22.606,-42.672
  Bottom Layer w0.5: -67.587,-2.054 -65.83,-3.81 -65.024,-3.81 ; R85.2@-57.916,15.21 -57.766,15.06 -57.092,15.06 v1(-55.884,13.852) ; U21.8@-56.896,7.837 -56.85,7.883 U21.8@-56.532,7.883 v2(-54.674,7.883) -53.619,8.938 R78.2@-53.344,8.938 -52.162,8.938 -50.296,10.804 v1(-50.296,13.852) -50.296,14.728 -49.395,15.629 U19.20@-48.519,15.629 ; v1(-49.788,41.284) -49.724,41.22 -48.437,41.22 -48.391,41.174 U18.20@-48.391,41.156 ; v1(-23.742,-41.346) -23.665,-41.269 -23.665,-40.884 -23.542,-40.76 -23.542,-36.576 -23.025,-36.059 U16.8@-20.692,-36.059 -20.692,-35.069 -20.728,-35.069 -21.58,-34.218 v1(-21.788,-34.218) ; R47.2@-9.148,-37.29 -9.148,-38.415 -8.855,-38.708 -8.709,-38.708 -8.052,-39.365 v1(-7.944,-39.365) ; v1@-8.071,-39.492 -5.271,-42.292 -4.545,-42.292 -4.314,-42.523 U3.3@-4.314,-42.536 ; v1@-3.052,-32.376 -2.671,-32.757 U13.6@-0.602,-32.757 3.098,-32.757 4.143,-31.712 4.143,-31.51 4.293,-31.36 C8.1@4.568,-31.36 ; v1@-3.052,-31.868 -3.112,-31.808 -3.112,-31.766 -2.762,-31.416 -2.762,-29.037 C9.1@-2.037,-28.312 ; R62.1@30.48,89.574 R63.1@33.02,89.574 33.362,89.574 33.362,89.507 36.525,86.344 49.49,86.344 57.076,78.758 57.076,75.64 56.572,75.136 54.421,75.136 53.955,75.602 D21.1@51.304,75.602 51.154,75.602 50.804,75.252 50.804,75.102 49.52,73.818 49.52,62.282 ; v1(53.844,29.6) 53.97,29.726 55.068,29.726 55.114,29.772 U11.20@55.114,29.852 ; U9.16@63.75,18.144 63.796,18.098 63.796,18.055 65.149,18.055 ; C3.2@75.18,-21.034 76.03,-21.034 76.672,-21.676 ; U7.20@86.741,44.576 86.741,41.383 86.868,41.256 v1(86.868,41.148) ; v1(100.58,42.808) 100.699,42.927 101.55,42.927 101.596,42.973 U6.16@101.596,43.596 ; 101.374,58.13 101.596,57.908 U7.16@101.596,55.28 ; U6.10@109.216,43.596 109.216,41.944 109.876,41.284 v1(110.74,41.284) 112.772,41.284 113.536,42.048 113.536,50.753 111.043,53.246 109.528,53.246 109.235,53.539 109.235,55.261 U7.10@109.216,55.28 109.216,56.9